# Altium PCB icaRUSv0.2.PcbDoc (part 1 of 2)
Units mm, origin at the board's own origin, x right, y up, seen from the top; angles counter-clockwise.
Board outline 84 x 83.99 mm, 2 copper layers (Top Layer, Bottom Layer); 111 components, 57 nets, 328 pads, 1315 vias.
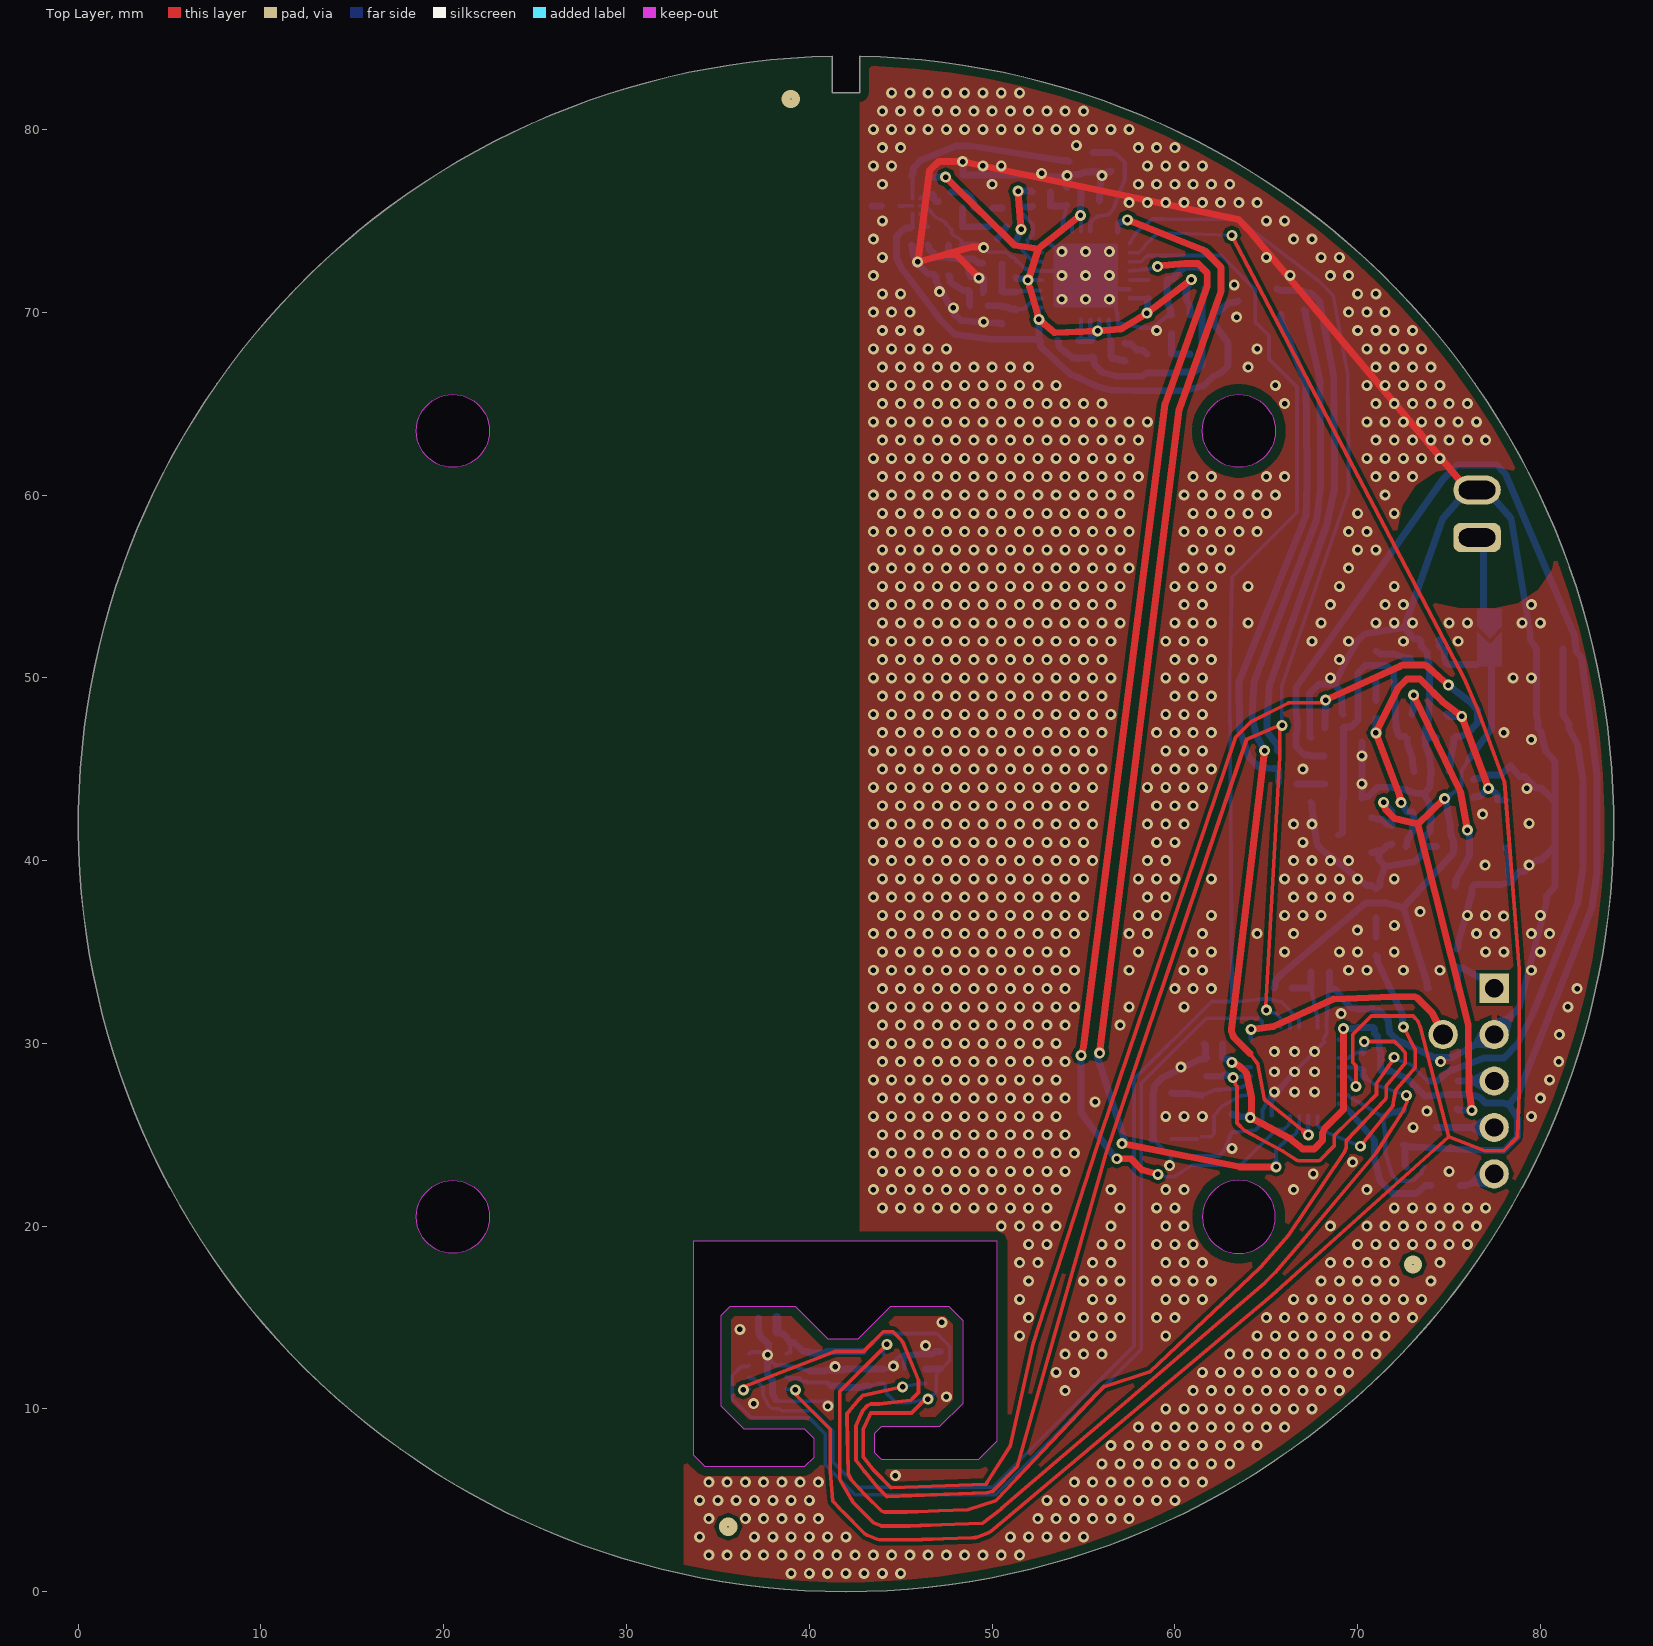
[diagram p0: Top Layer view]
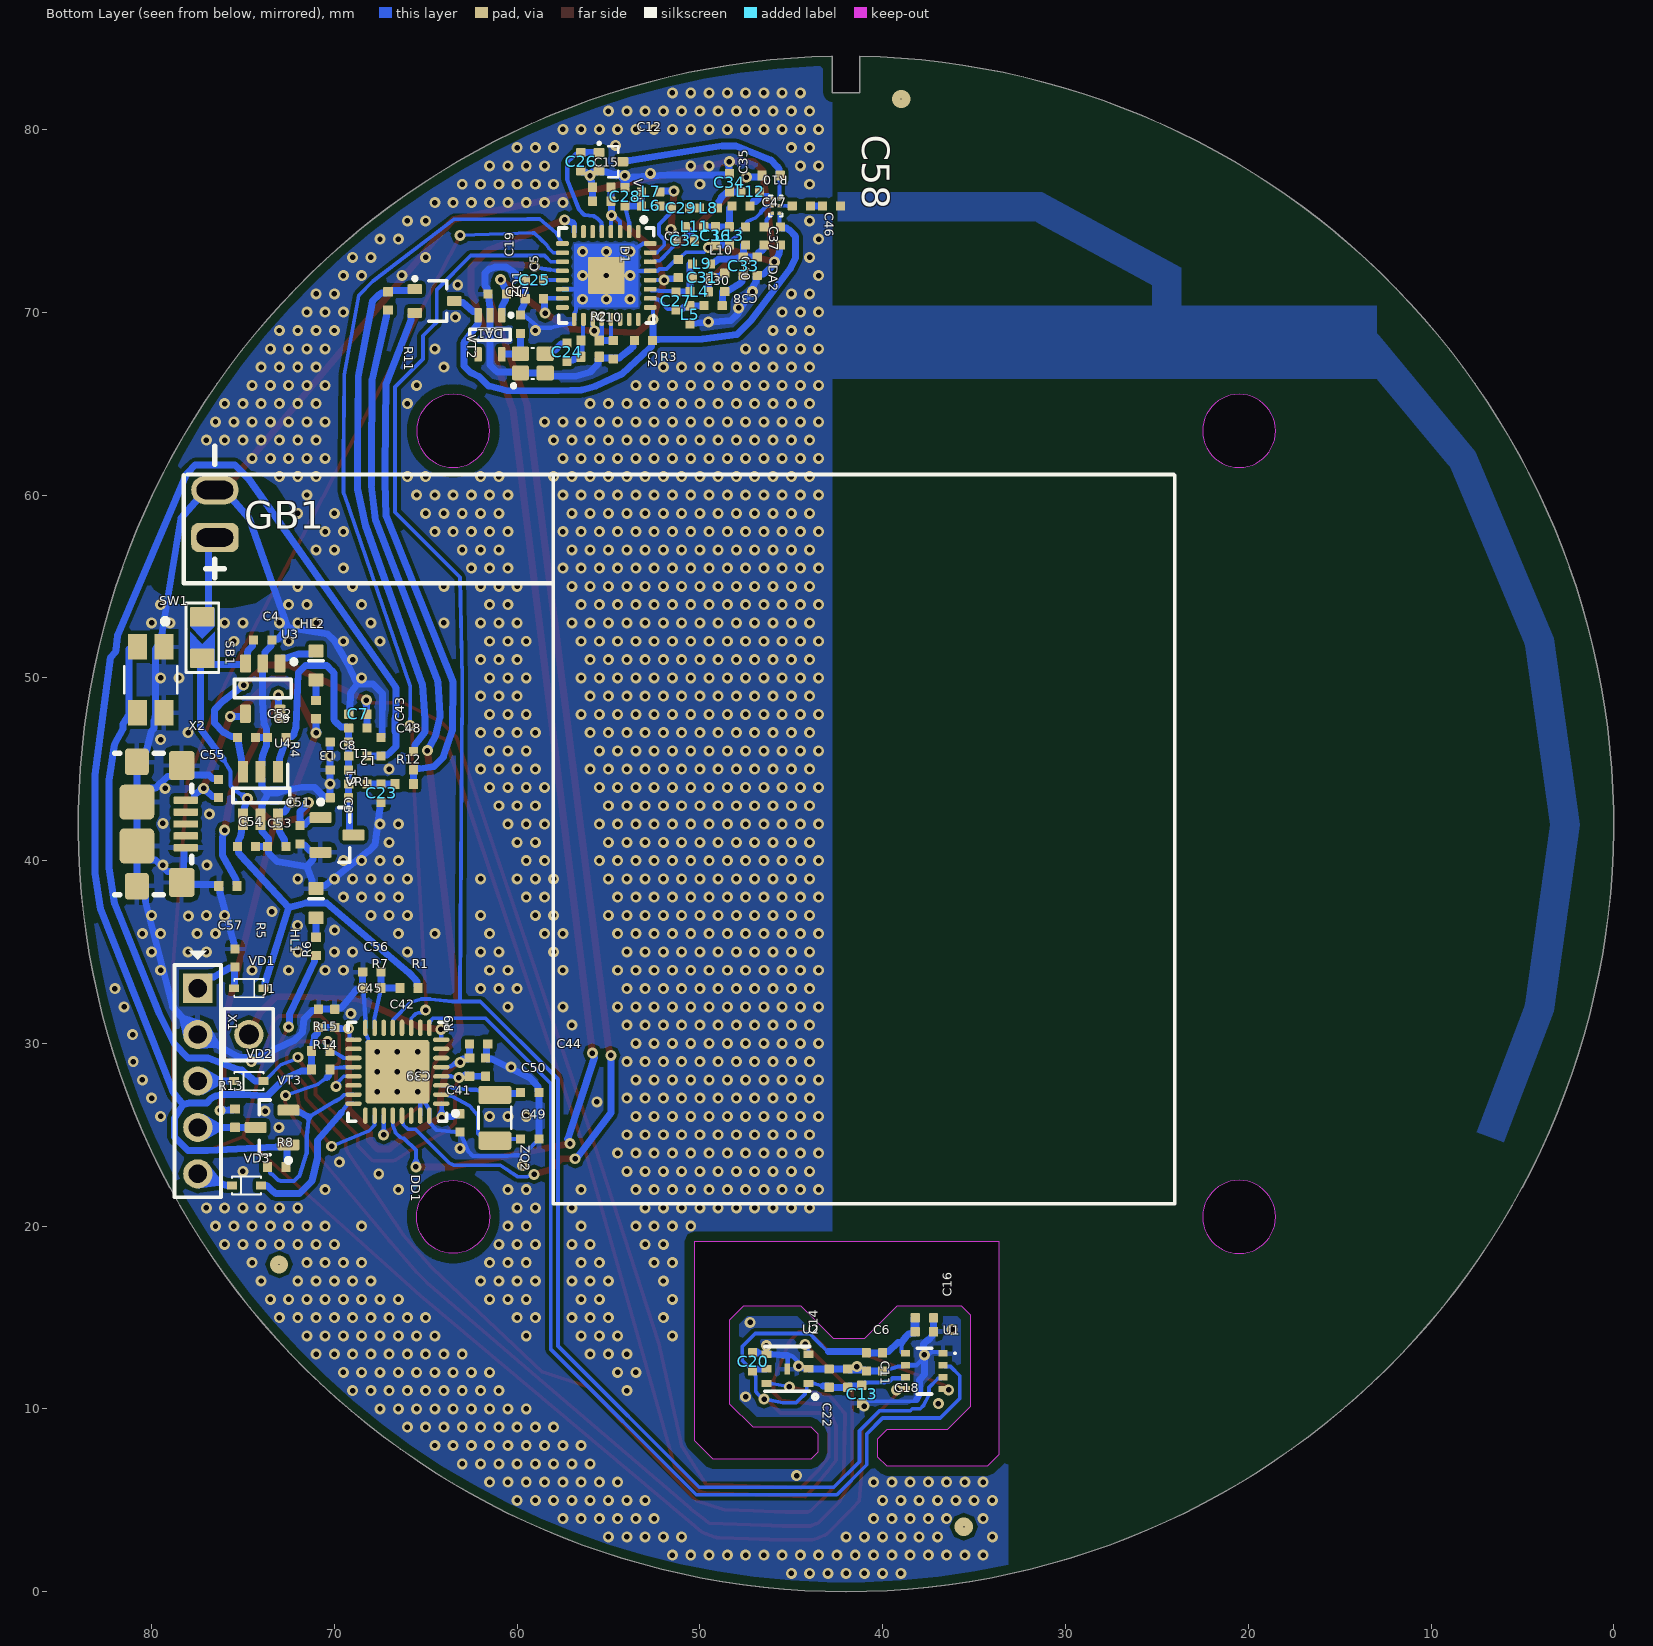
[diagram p1: Bottom Layer view, seen from below]

## Layer stack, top to bottom
Top Solder: solder mask 0.0102, Solder Resist, Dk 3.5
Top Layer: signal copper 0.0356
Dielectric 1: dielectric 0.32, FR-4, Dk 4.8
Bottom Layer: signal copper 0.0356
Bottom Solder: solder mask 0.0102, Solder Resist, Dk 3.5

## Board outline
41.256,84 ccw(c42.006,42.006) 42.756,84 42.756,82.006 41.256,82.006
cut-out: 61.5,20.506 ccw(c63.5,20.506) 63.5,18.506 ccw(c63.5,20.506) 65.5,20.506 ccw(c63.5,20.506) 63.5,22.506 ccw(c63.5,20.506)
cut-out: 63.5,61.506 cw(c63.5,63.506) 61.5,63.506 cw(c63.5,63.506) 63.5,65.506 cw(c63.5,63.506) 65.5,63.506 cw(c63.5,63.506)
cut-out: 20.5,61.506 cw(c20.5,63.506) 18.5,63.506 cw(c20.5,63.506) 20.5,65.506 cw(c20.5,63.506) 22.5,63.506 cw(c20.5,63.506)
cut-out: 20.5,18.506 cw(c20.5,20.506) 18.5,20.506 cw(c20.5,20.506) 20.5,22.506 cw(c20.5,20.506) 22.5,20.506 cw(c20.5,20.506)
cut-out: 33.655,7.493 34.29,6.858 39.751,6.858 40.259,7.366 40.259,8.382 39.751,8.89 36.449,8.89 35.179,10.16 35.179,15.113 35.687,15.621 39.243,15.621 41.021,13.843 42.672,13.843 44.45,15.621 47.625,15.621 48.387,14.859 48.387,10.287 47.117,9.017 43.942,9.017 43.561,8.636 43.561,7.62 43.942,7.239 49.276,7.239 50.292,8.255 50.292,19.177 33.655,19.177

## Design rules (kind name [scope] priority, off if disabled: settings)
BoardOutlineClearance [All] p1: gap=0.508 ignorepadtopadclearanceinfootprint=FALSE
Clearance Clearance_testpoint [IsVia And (TestpointAssyTop = 'True')] p1: gap=0.2 ignorepadtopadclearanceinfootprint=FALSE
Clearance Clearance_SolderBridge [InComponent('SB1')] p2: gap=0.2 ignorepadtopadclearanceinfootprint=TRUE
Clearance Clearance_Bat+ [InComponent('GB1')] p3: gap=0.125 ignorepadtopadclearanceinfootprint=TRUE except(3: Arc-Fill Arc-Poly Arc-Region Track-Fill Track-Poly Track-Region SMDPad-Fill SMDPad-Poly SMDPad-Region THPad-Fill THPad-Poly THPad-Region Via-Fill Via-Poly Via-Region Fill-Fill Fill-Poly Fill-Region Poly-Poly Poly-Region Region-Region)
Clearance [All] p4: gap=0.2 ignorepadtopadclearanceinfootprint=FALSE
PolygonConnect [All] p1: connectstyle=Relief reliefconductorwidth=0.254 reliefentries=4 polygonreliefangle="90 Angle" airgapwidth=0.254
RoomDefinition icaRUSv0.2 [InComponentClass('icaRUSv0.2')] p1: confinementstyle=ConfineIn formatcopy=TRUE lockcomponents=FALSE outline 0,0 83.947,0 83.947,83.947 0,83.947
RoutingVias [All] p1: holewidth=0.711 width=1.27 viastyle="Through Hole" minholewidth=0.3 minwidth=0.599 maxholewidth=0.711 maxwidth=1.27
SilkToSolderMaskClearance [IsPad] p1: minsilkscreentomaskgap=0.119 clearancetoexposedcopper=TRUE
SolderMaskExpansion [All] p1: expansion=0.102 istentingtop=FALSE
UnRoutedNet [All] p1: checkbadconnections=TRUE
Width [All] p1: maxlimit=0.508 minlimit=0.2 preferedwidth=0.381 minimp=50.000000 maximp=50.000000 favimp=50.000000
28 further rules are at their usual default settings.

## Components (designator, comment, footprint, x,y, rotation, side; value= is the part's Value field where it differs from the comment)
C1 "4.7u 6.3V" C0402 69.723,43.434 r0 bottom
C2 "1u 16V" C0402 53.086,68.453 r180 bottom
C3 "0.1u 16V" C0402 69.723,46.482 r180 bottom
C4 "1u 16V" C0402 73.914,52.07 r0 bottom
C5 "4.7u 6.3V" C0402 61.087,70.993 r0 bottom
C6 "1u 16V" C0402 40.005,12.573 r90 bottom
C7 "4.7u 6.3V" C0402 68.707,48.006 r0 bottom
C8 "1u 16V" C0402 69.723,44.958 r180 bottom
C9 "1u 16V" C0402 74.803,46.736 r0 bottom
C10 "1u 16V" C0402 54.737,67.945 r90 bottom
C11 "0.1u 25V" C0402 37.719,14.224 r180 bottom
C12 "0.1u 16V" C0402 55.372,76.073 r180 bottom
C13 "1u 16V" C0402 41.148,10.795 r90 bottom
C14 "4.7u 6.3V" C0402 42.926,11.684 r90 bottom
C15 "0.1u 16V" C0402 55.372,76.835 r180 bottom
C16 "0.1u 25V" C0402 37.719,14.986 r180 bottom
C17 "1u 16V" C0402 59.817,69.342 r270 bottom
C18 "1u 16V" C0402 40.894,12.573 r90 bottom
C19 "0.1u 16V" C0402 59.055,70.739 r180 bottom
C20 "1u 16V" C0402 47.117,12.573 r270 bottom
C21 "0.1u 16V" C0402 51.181,72.39 r270 bottom
C22 "0.1u 25V" C0402 41.91,11.684 r90 bottom
C23 "4.7u 6.3V" C0402 67.437,43.688 r90 bottom
C24 "1000p 50V" C0402 57.277,67.818 r270 bottom
C25 "0.1u 16V" C0402 59.055,71.755 r180 bottom
C26 "0.1u 16V" C0402 56.515,78.232 r90 bottom
C27 "1.2p 50V" C0402 51.308,70.612 r270 bottom
C28 "0.1u 16V" C0402 54.102,76.327 r270 bottom
C29 "100p 50V" C0402 51.054,75.692 r180 bottom
C30 "2.7p 50V" C0402 49.276,70.358 r180 bottom
C31 "2.7p 50V" C0402 49.911,71.882 r0 bottom
C32 "100p 50V" C0402 50.8,73.914 r180 bottom
C33 "2.7p 50V" C0402 47.625,72.517 r90 bottom
C34 "6.2p 50V" C0402 48.387,77.089 r270 bottom
C35 "2.7p 50V" C0402 47.498,74.168 r270 bottom
C36 "3.6p 50V" C0402 49.149,74.176 r270 bottom
C37 "2.7p 50V" C0402 47.752,75.819 r180 bottom
C38 "1.5p 50V" C0402 46.863,72.517 r270 bottom
C39 "0.1u 16V" C0402 61.722,28.702 r90 bottom
C40 "100p 50V" C0402 46.482,74.168 r90 bottom
C41 "4.7u 6.3V" C0402 63.119,25.646 r270 bottom
C42 "0.1u 16V" C0402 69.977,31.369 r90 bottom
C43 "0.1u 16V" C0402 67.437,46.228 r90 bottom
C44 "0.1u 16V" C0402 62.103,29.972 r180 bottom
C45 "0.1u 16V" C0402 70.866,31.369 r90 bottom
C46 "100p 50V" C0402 44.45,75.819 r180 bottom
C47 "0.1u 16V" C0402 45.593,74.168 r90 bottom
C48 "0.1u 16V" C0402 65.659,45.466 r270 bottom
C49 "20p 50V" C0402 59.309,24.765 r180 bottom
C50 "20p 50V" C0402 59.309,27.305 r180 bottom
C51 "4.7u 6.3V" C0402 71.882,41.41 r270 bottom
C52 "4.7u 6.3V" C0402 73.152,46.736 r0 bottom
C53 "4.7u 6.3V" C0402 73.152,40.767 r0 bottom
C54 "4.7u 6.3V" C0402 74.803,40.767 r180 bottom
C55 "4.7u 6.3V" C0402 76.327,43.942 r90 bottom
C56 "1u 16V" C0402 67.945,33.909 r180 bottom
C57 "1u 16V" C0402 75.438,34.671 r270 bottom
C58 "1.5p 50V" C0402 42.799,75.819 r180 bottom
D1 "SWS1470-A0 QFN32" QFN32 55.118,72.009 r270 bottom
DA1 "NCP502SQ18T2G" SOT323-5 61.483,68.766 r0 bottom
DA2 "BGS12WN6E6327XTSA1" 6-XFDFN 45.847,75.819 r180 bottom
DD1 "STM32L412K8Ux" UFQFPN32 66.548,28.448 r0 bottom
GB1 "3.7V 1000mAh" "LP753440 3.7V 1000mAh with PCM" 41.529,41.275 r90 bottom locked
HL1 "RED" LED0603_RED#1 71,37.667 r90 bottom
HL2 "RED" LED0603_RED#2 71,50.673 r90 bottom
J1 "61300111121" 61300111121 74.676,30.48 r270 bottom
L1 "120R 1.3A" L0402_BEAD 68.707,47.244 r180 bottom
L2 "120R 1.3A" L0402_BEAD 68.707,45.72 r180 bottom
L3 "120R 1.3A" L0402_BEAD 68.707,44.196 r180 bottom
L4 "82nH" L0402 50.038,71.12 r180 bottom
L5 "82nH" L0402 50.546,69.85 r90 bottom
L6 "82nH" L0402 52.697,75.819 r0 bottom
L7 "82nH" L0402 52.697,76.581 r180 bottom
L8 "12nH" L0402 49.53,75.692 r180 bottom
L9 "10nH" L0402 49.911,72.644 r180 bottom
L10 "10nH" L0402 48.641,71.628 r270 bottom
L11 "12nH" L0402 50.292,74.676 r180 bottom
L12 "12nH" L0402 47.244,76.581 r180 bottom
L13 "12nH" L0402 48.387,74.176 r90 bottom
R1 "2M 1%" R0402 65.913,33.02 r180 bottom
R2 "1M 1%" R0402 56.007,68.453 r180 bottom
R3 "1M 1%" R0402 56.007,67.564 r0 bottom
R4 "470R 1%" R0402 71,48.26 r90 bottom
R5 "10k 5%" R0402 75.819,38.608 r0 bottom
R6 "470R 1%" R0402 71,35.306 r270 bottom
R7 "1M 1%" R0402 67.945,33.02 r180 bottom
R8 "10k 1%" R0402 73.152,23.241 r180 bottom
R9 "10k 1%" R0402 62.611,28.702 r270 bottom
R10 "1k 1%" R0402 46.101,77.47 r0 bottom
R11 "1k 1%" R0402 67.056,70.62 r90 bottom
R12 "1R 1%" R0402 66.175,44.196 r180 bottom
R13 "10k 1%" R0402 75.438,25.908 r90 bottom
R14 "10k 1%" R0402 70.739,28.575 r180 bottom
R15 "10k 1%" R0402 70.739,29.591 r180 bottom
SB1 "Jumper Solder" SB0805 77.216,52.19 r270 bottom
SW1 "EVQ-P7J01P" SW_EVQ-P7J01P 80.047,49.889 r270 bottom
U1 "BME280" BOSC-BME280-8_V 37.719,12.065 r180 bottom
U2 "SGP30" SGP30 45.212,12.192 r0 bottom
U3 "MCP73831T-2ATI/OT" SOT23-5 73.914,49.403 r0 bottom
U4 "ESDA5V3SC6" SOT23-6L 74.041,43.561 r0 bottom
VD1 "RB520S30" SOD523F 74.676,33.02 r180 bottom
VD2 "RB520S30" SOD523F 74.676,27.94 r0 bottom
VD3 "RB520S30" SOD523F 74.803,22.225 r0 bottom
VR1 "H7605-18MR" SOT23-3L 69.85,41.402 r270 bottom
VT1 "PDTC143ZE" SOT416 54.864,78.232 r270 bottom
VT2 "PMF170XP" SOT323 64.516,70.612 r270 bottom
VT3 "FDV303N" SOT23-3L 73.406,25.4 r90 bottom
X1 "PLS-5" PLS-5-2.54-PCB 77.47,27.94 r270 bottom
X2 "1981568-1" 1981568-1 80.8,42 r270 bottom
ZQ1 "26MHz 2ppm" QSMD2.0x1.6x0.7 59.142,67.2 r180 bottom
ZQ2 "32.768 kHz" QSMD3.2X1.5X0.8 61.214,25.928 r90 bottom

## Footprints (in the part's own frame and the unit in brackets; to place one, negate y for a bottom-side part, rotate by r counter-clockwise, add the part's x,y. Pads: shape width x height; smd on the part's side, far side on the other; paste and mask are expansions set on the pad)
6-XFDFN [mm] "QFN, 10-Leads, Body 1,15x1,55mm, Pitch 0,4mm"
  rrect25% 0.2x0.2 smd: 1(-0.2,0.4) 2(-0.2,0) 3(-0.2,-0.4) 4(0.2,-0.4) 5(0.2,0) 6(0.2,0.4)
  silkscreen extent -0.52,-0.57 0.37,0.57, body extent -0.35,-0.55 0.35,0.55, height 0.38
1981568-1 [mm]
  rrect25% 0.4x1.35 smd: 1(-1.3,2.675) 2(-0.65,2.675) 3(0,2.675) 4(0.65,2.675) 5(1.3,2.675)
  rrect25% 1.45x1.3 smd: 6(-3.4,0) 9(3.4,0)
  rrect25% 1.6x1.4 smd: 7(-3.2,2.45) 8(3.2,2.45)
  rrect25% 1.9x1.9 smd: 10(1.2,0) 11(-1.2,0)
  silkscreen extent -3.88,-1.22 3.88,3, body extent -4,-2.8 4,2.8, height 2.79
61300111121 [mm] "Pin Header, pitch 2.54 mm, THT, Vertical, single row, 1p"
  round 1.6 hole 1.1: 1(0,0)
  silkscreen extent -1.42,-1.35 1.42,1.35, body extent -1.27,-1.27 1.27,1.27, height 8.57
BOSC-BME280-8_V [mm] "SMD, 8-Leads, Body 2.5x2.5mm, Pitch 0.65mm"
  rect 0.5x0.35 smd: 1(1.025,0.975) 2(1.025,0.325) 3(1.025,-0.325) 4(1.025,-0.975) 5(-1.025,-0.975) 6(-1.025,-0.325) 7(-1.025,0.325) 8(-1.025,0.975)
  silkscreen extent -0.39,-1.25 1.72,1.25, body extent -1.25,-1.25 1.25,1.25, height 1
C0402 [mm] "Chip Capacitor 0402"
  rrect10% 0.5x0.5 smd: 1(-0.5,0) 2(0.5,0)
  Top Layer pour cut-out: -0.15,0.35 0.15,0.35 0.15,-0.35 -0.15,-0.35
  body extent -0.5,-0.25 0.5,0.25, height 0.5
L0402 [mm] "Chip Inductor 0402"
  rrect10% 0.5x0.5 smd: 1(-0.5,0) 2(0.5,0)
  body extent -0.5,-0.25 0.5,0.25, height 0.5
L0402_BEAD [mm] "Chip Ferrite Bead 0402"
  rrect10% 0.5x0.5 smd: 1(-0.5,0) 2(0.5,0)
  body extent -0.5,-0.25 0.5,0.25, height 0.5
LED0603_RED#1 [mm]
  rrect10% 0.7x0.8 smd: 1(-0.8,0) 2(0.8,0)
  Top Layer pour cut-out: -0.35,0.55 0.35,0.55 0.35,-0.55 -0.35,-0.55
  silkscreen extent 0.25,-0.38 0.25,0.38, body extent -0.8,-0.4 0.8,0.4, height 0.39
LED0603_RED#2 [mm]
  rrect10% 0.7x0.8 smd mask+0.075: 1(-0.8,0) 2(0.8,0)
  Top Layer pour cut-out: -0.35,0.55 0.35,0.55 0.35,-0.55 -0.35,-0.55
  silkscreen extent 0.25,-0.38 0.25,0.38, body extent -0.8,-0.4 0.8,0.4, height 0.39
"LP753440 3.7V 1000mAh with PCM" [mm] "Rechargeable LiPoly Battery LP753440 3.7V 1000mAh with Protection Circuit & Wires 50mm"
  rrect50% 1.6x2.6 hole 1 slot 2 at 90 deg: 1(16.4,35)
  oval 1.6x2.6 hole 1 slot 2 at 90 deg: 2(19,35)
  silkscreen extent -20.05,-17.5 21.4,36.7, body extent -20.1,-17.5 19.9,36.5, height 7.5
PLS-5-2.54-PCB [mm] "Lead spase 2.54, 5-pin"
  rect 1.6x1.6 hole 1: 1(-5.08,0)
  round 1.6 hole 1: 2(-2.54,0) 3(0,0) 4(2.54,0) 5(5.08,0)
  silkscreen extent -7.12,-1.27 6.35,1.27, body extent -6.35,-1.27 6.35,1.27, height 8.54
QFN32 [mm] "QFN, 32-Leads, Body 5,00x5,00mm, Pitch 0,50mm, Thermal Pad 3,5x3,5mm"
  rrect50% 0.7x0.25 smd: 1(-2.4,1.75) 2(-2.4,1.25) 3(-2.4,0.75) 4(-2.4,0.25) 5(-2.4,-0.25) 6(-2.4,-0.75) 7(-2.4,-1.25) 8(-2.4,-1.75) 17(2.4,-1.75) 18(2.4,-1.25) 19(2.4,-0.75) 20(2.4,-0.25) 21(2.4,0.25) 22(2.4,0.75) 23(2.4,1.25) 24(2.4,1.75)
  rrect50% 0.25x0.7 smd: 9(-1.75,-2.4) 10(-1.25,-2.4) 11(-0.75,-2.4) 12(-0.25,-2.4) 13(0.25,-2.4) 14(0.75,-2.4) 15(1.25,-2.4) 16(1.75,-2.4) 25(1.75,2.4) 26(1.25,2.4) 27(0.75,2.4) 28(0.25,2.4) 29(-0.25,2.4) 30(-0.75,2.4) 31(-1.25,2.4) 32(-1.75,2.4)
  rrect5% 2x2 smd: 33(0,0)
  Top Layer region: -1.75,1.5 -1.5,1.75 1.7,1.75 1.75,1.7 1.75,-1.7 1.7,-1.75 -1.7,-1.75 -1.75,-1.7
  silkscreen extent -3.17,-2.6 2.6,2.6, body extent -2.5,-2.5 2.5,2.5, height 0.94
QSMD2.0x1.6x0.7 [mm]
  rrect25% 0.95x0.8 smd: 1(-0.675,-0.525) 2(0.675,-0.525) 3(0.675,0.525) 4(-0.675,0.525)
  silkscreen extent -1.15,-1.32 0.08,0.85, body extent -1.05,-0.85 1.05,0.85, height 0.56
QSMD3.2X1.5X0.8 [mm]
  rrect25% 1x1.8 smd: 1(-1.25,0) 3(1.25,0)
  silkscreen extent -0.6,-0.9 0.6,0.9, body extent -1.6,-0.75 1.6,0.75, height 0.71
R0402 [mm] "Chip Resistor 0402"
  rrect10% 0.5x0.55 smd: 1(-0.5,0) 2(0.5,0)
  Top Layer pour cut-out: -0.15,0.375 0.15,0.375 0.15,-0.375 -0.15,-0.375
  body extent -0.57,-0.27 0.58,0.28, height 0.41
SB0805 [mm] "Solder Jumper 0805"
  rrect10% 1.05x1.35 smd: 1(-1.15,0) 2(1.125,0)
  Top Layer region: 1.55,0.675 -0.325,0.675 0.35,0 -0.325,-0.675 1.55,-0.675
  Top Layer region: -1.6,0.675 -0.625,0.675 0.05,0 -0.625,-0.675 -1.6,-0.675
  silkscreen extent -1.9,-0.9 1.9,0.9
SGP30 [mm]
  rect 0.55x0.4 smd paste-1: 1(-1.15,0.8) 2(-1.15,0) 3(-1.15,-0.8) 4(1.15,-0.8) 5(1.15,0) 6(1.15,0.8)
  rect 0.305x0.61 smd paste-1 mask+0: DIEPAD(0,0)
  silkscreen extent -1.65,-1.22 1.22,1.65, body extent -1.22,-1.22 1.22,1.22, height 0.88
SOD523F [mm] "SODFL, 2-Leads, Body 0,80x1,60mm, IPC Medium Density"
  rrect10% 0.55x0.42 smd: 1(-0.8,0) 2(0.8,0)
  silkscreen extent -0.8,-0.5 0.8,0.5, body extent -0.8,-0.45 0.8,0.45, height 0.7
SOT23-3L [mm] "SOT23, 3-Leads, Body 2.9x1.3mm, Pitch 0.95mm, Lead Span 2.5mm, IPC High Density"
  rrect25% 0.6x1.2 smd: 1(-0.95,-0.9) 2(0.95,-0.9) 3(0,0.9)
  silkscreen extent -1.92,-1.03 1.5,0.7, body extent -1.45,-1.4 1.45,1.4, height 1.3
SOT23-5 [mm] "SOT23, 5-Leads, Body 2,90x2,80mm, Pitch 0,95mm, IPC Medium Density"
  rrect25% 0.6x1 smd: 1(-0.95,-1.375) 2(0,-1.375) 3(0.95,-1.375) 4(0.95,1.375) 5(-0.95,1.375)
  silkscreen extent -1.82,-1.6 1.55,0.5, body extent -1.53,-1.5 1.53,1.5, height 1.45
SOT23-6L [mm]
  rect 0.55x1.2 smd: 1(-0.95,-1.3) 2(0,-1.3) 3(0.95,-1.3) 4(0.95,1.3) 5(0,1.3) 6(-0.95,1.3)
  silkscreen extent -1.6,-1.7 1.5,0.4, body extent -1.46,-1.4 1.46,1.4, height 1.4
SOT323 [mm] "SOT323, 3-Leads, Body 2,00x2,10mm, Pitch 0,65mm, IPC Medium Density"
  rrect25% 0.55x0.8 smd: 1(-0.65,-1.075) 2(0.65,-1.075) 3(0,1.075)
  silkscreen extent -1.32,-1.17 1.1,0.67, body extent -1.1,-1.15 1.1,1.15, height 1.1
SOT323-5 [mm] "SOT323, 5-Leads, Body 2,00x2,10mm, Pitch 0,65mm, IPC Medium Density"
  rrect25% 0.4x0.8 smd: 1(-0.65,-1.075) 2(0,-1.075) 3(0.65,-1.075) 4(0.65,1.075) 5(-0.65,1.075)
  silkscreen extent -1.25,-1.17 1.1,0.3, body extent -1.1,-1.1 1.1,1.1, height 1.1
SOT416 [mm] "SOT416, 3-Leads, Body 1,60x0,80mm, Pitch 0,50mm"
  rrect25% 0.5x0.6 smd: 1(-0.5,-0.65) 2(0.5,-0.65) 3(0,0.65)
  silkscreen extent -1.07,-0.73 0.85,0.4, body extent -0.8,-0.8 0.8,0.8, height 0.78
SW_EVQ-P7J01P [mm]
  rect 1.4x1.05 smd: 1_1(-1.8,0.725) 1_2(1.8,0.725) 2_1(-1.8,-0.725) 2_2(1.8,-0.725)
  silkscreen extent -3.34,-1.45 0.73,1.45, body extent -2.35,-2.1 2.35,1.45, height 1.35
UFQFPN32 [mm] "QFN, 32-Leads, Body 5,00x5,00mm, Pitch 0,50mm, Thermal Pad 3,50x3,50mm, IPC Medium Density"
  oval 0.9x0.25 smd: 1(-2.4,1.75) 2(-2.4,1.25) 3(-2.4,0.75) 4(-2.4,0.25) 5(-2.4,-0.25) 6(-2.4,-0.75) 7(-2.4,-1.25) 8(-2.4,-1.75) 17(2.4,-1.75) 18(2.4,-1.25) 19(2.4,-0.75) 20(2.4,-0.25) 21(2.4,0.25) 22(2.4,0.75) 23(2.4,1.25) 24(2.4,1.75)
  oval 0.25x0.9 smd: 9(-1.75,-2.4) 10(-1.25,-2.4) 11(-0.75,-2.4) 12(-0.25,-2.4) 13(0.25,-2.4) 14(0.75,-2.4) 15(1.25,-2.4) 16(1.75,-2.4) 25(1.75,2.4) 26(1.25,2.4) 27(0.75,2.4) 28(0.25,2.4) 29(-0.25,2.4) 30(-0.75,2.4) 31(-1.25,2.4) 32(-1.75,2.4)
  rrect10% 3.5x3.5 smd: 33(0,0)
  silkscreen extent -3.3,-2.7 2.7,2.7, body extent -2.6,-2.6 2.6,2.6, height 0.6

## Part data
C1 C5 C7 C14 C23 C41 C51 C52 C53 C54 C55: library part CC0402KRX5R5BB475, "CAP CER 4.7UF 6.3V X5R 0402", PartNumber=CC0402KRX5R5BB475
C2 C17: library part CC0402KRX5R7BB105, "CAP CER 1UF 16V X5R 0402", PartNumber=CC0402KRX5R7BB105
C3: library part CC0603KRX7R7BB104, "CERCAP 0.1/16V 0402 KX7R", PartNumber=CC0402KRX7R7BB104
C4 C8: library part CC0603KRX7R7BB105, "CAP CER 1UF 16V X5R 0402", PartNumber=CC0402KRX5R7BB105
C6 C9 C10 C13 C18 C20 C56 C57: library part CC0402KRX7R8BB104, "CAP CER 1UF 16V X5R 0402", PartNumber=CC0402KRX5R7BB105
C11 C16 C22: library part CC0402KRX7R8BB104, "CAP CER 0.1UF 25V X7R 0402", PartNumber=CC0402KRX7R8BB104
C12 C15 C19 C21 C25 C26 C28 C39 C42 C43 C44 C45 C47 C48: library part CC0402KRX7R8BB104, "CERCAP 0.1/16V 0402 KX7R", PartNumber=CC0402KRX7R7BB104
C24: library part CC0402JRX7R9BB102, "CAP CER 1000PF 1% 50V C0G/NPO 0402", PartNumber=0402N102F500LT
C27: library part CC0402BRNPO9BN1R0, "CAP CER 1.2PF 50V NPO 0402", PartNumber=CC0402BRNPO9BN1R2
C29 C32 C40 C46: library part CC0402JRNPO9BN101, "CAP CER 100PF 50V C0G/NPO 0402", PartNumber=CC0402JRNPO9BN101
C30 C31 C33 C35: library part CC0402BRNPO9BN2R0, "CAP CER 2.7PF 50V C0G/NPO 0402", PartNumber=CC0402BRNPO9BN2R7
C34: library part CC0402CRNPO9BN6R2, "CAP CER 6.2PF 50V NPO 0402", PartNumber=CC0402CRNPO9BN6R2
C36: library part CC0402BRNPO9BN3R6, "CAP CER 3.6PF 50V NPO 0402", PartNumber=CC0402BRNPO9BN3R6
C37: library part CC0402BRNPO9BN3R6, "CAP CER 2.7pF 50V NPO 0402", PartNumber=CC0402BRNPO9BN2R7
C38 C58: library part CC0402BRNPO9BN1R0, "CAP CER 1.5PF 50V NPO 0402", PartNumber=CC0402BRNPO9BN1R5
C49 C50: library part CC0402JRNPO9BN200, "CAP CER 20PF 50V C0G/NPO 0402", PartNumber=CC0402JRNPO9BN200
D1: "Waviot NB-Fi RF Transceiver QFN32", PartNumber="SWS1470-A0 QFN32"
DA1: "IC REG LINEAR 1.8V 80MA SC88A", PartNumber=NCP502SQ18T2G
DA2: "RF Switch IC WLAN SPDT 50Ohm PG-TSNP-6-10", PartNumber=BGS12WN6E6327XTSA1
DD1: "ARM® Cortex®-M4 CPU with FPU, STM32L4 Microcontroller IC 32-Bit 80MHz 64KB (64K x 8) FLASH 32-UFQFPN (5x5)", PartNumber=STM32L412KBUx
GB1: library part CR17505, "LiPoly Battery LP753440 3.7V 1000mAh with PCM", PartNumber=LP753440
HL1 HL2: library part FYLS-0603URC, "LED Red 0603", PartNumber=FYLS-0603URC
J1: library part CMP-1502-01058-1, "THT Vertical Pin Header WR-PHD, Pitch 2.54 mm, Single Row, 1 pins", Contact Resistance=20mOhm, Manufacturer="Wurth Elektronik", Operating Temperature=-40to105degC, Rated Current=3A, Withstanding Voltage=500VAC, Working Voltage=250VAC, Datasheet URL=https://katalog.we-online.de/em/datasheet/6130xx11121.pdf, Gender=Male, Manufacturer URL=http://www.we-online.de, Mounting Technology=THT, Orientation=Vertical, Package Reference=61300111121, Packaging=Bag, Part Number=61300111121, Pin Number=1, Pitch=2.54mm, Publisher=WurthElektronik, Row Number=Single
L1 L2 L3: library part BLM15PD121SZ1D, "FERRITE BEAD 120 OHM 0402 1LN", PartNumber=BLM15PD121SZ1D
L4 L5 L6 L7: library part LQW15AN82NG00D, "FIXED IND 82NH 130MA 2.24 OHM", PartNumber=LQW15AN82NG00D
L8 L11 L12 L13: library part LQW15AN12NG00D, "FIXED IND 12NH 500MA 140 MOHM", PartNumber=LQW15AN12NG00D
L9 L10: library part LQW15AN10NG00D, "FIXED IND 10NH 500MA 170 MOHM", PartNumber=LQW15AN10NG00D
R1: library part RC0402FR-071ML, "RES SMD 2M OHM 1% 1/16W 0402", PartNumber=RC0402FR-072ML
R2 R3 R7: library part RC0402FR-071ML, "RES SMD 1M OHM 1% 1/16W 0402", PartNumber=RC0402FR-071ML
R4 R6: library part RC0603FR-07200RL, "RES 0603 470R 1%", PartNumber=RC0603FR-07470RL
R5: library part RC0402FR-071ML, "RES SMD 10k OHM 5% 1/16W 0402", PartNumber=RC0402JR-0710KL
R8 R9 R13 R14 R15: library part RC0402FR-0710KL, "RES SMD 10K OHM 1% 1/16W 0402", PartNumber=RC0402FR-0710KL
R10 R11: library part RC0402FR-071KL, "RES SMD 1K OHM 1% 1/16W 0402", PartNumber=RC0402FR-071KL
R12: library part RC0402FR-071RL, "RES SMD 1 OHM 1% 1/16W 0402", PartNumber=RC0402FR-071RL
SW1: "Tactile Switch SPST-NO Side Actuated Surface Mount, Right Angle", Package=None, Availability=Unavailable, MF="Panasonic Electronic", MP=EVQ-P7J01P, Price=None, SnapEDA_Link=https://www.snapeda.com/parts/EVQ-P7J01P/Panasonic%20Electronic%20Components/view-part/523087/?ref=snap
U1: library part CMP-2000-05073-1, "Combined Humidity and Pressure Sensor, 1.71 to 3.6 V, -40 to 85 degC, 8-Pin SMD, RoHS, Tape and Reel", Manufacturer="Bosch Sensortec", Datasheet URL=http://datasheet.octopart.com/BME280-Bosch-datasheet-58577763.pdf, Datasheet Version="Rev. 1.2, 10/2015", Manufacturer URL=http://www.bosch-sensortec.com
U2: "The SGP30 is a digital multi-pixel gas sensor designed for easy integration into air purifier, demand-controlled ventilation, and IoT applications.", Package=None, Availability=Unavailable, MF="{'manufacturer': u'Sensirion AG'}", MP=SGP30, Price=None
U3: "Charger IC Lithium Ion/Polymer SOT-23-5", Package="SOT-23 Microchip", Arrow_Americas-Purchase-URL=https://snapeda.com/shop?store=Arrow+Americas&id=51423, Availability=Unavailable, DigiKey-Purchase-URL=https://snapeda.com/shop?store=DigiKey&id=51423, MF=Microchip, Mouser-Purchase-URL=https://snapeda.com/shop?store=Mouser&id=51423, MP=MCP73831T-2ATI/OT, Price=None, SnapEDA_Link=https://www.snapeda.com/parts/MCP73831T-2ATI/OT/Microchip/view-part/51423/?ref=snap
U4: "Clamp Ipp Tvs Diode Surface Mount SOT-23-6", Package="SOT-23-6 STMicroelectronics", Availability=Unavailable, MF=STMicroelectronics, MP=ESDA5V3SC6, Price=None, SnapEDA_Link=https://www.snapeda.com/parts/ESDA5V3SC6/STMicroelectronics/view-part/385392/?ref=snap
VD1 VD2 VD3: "RECTIFIER DIODE, SCHOTTKY, 0.2A", PartNumber=RB520S30
VR1: library part "Volt Reg", "Voltage Regulator H7605-18MR", PartNumber=H7605-18MR
VT1: "SMALL SIGNAL BIPOLAR TRANSISTOR", PartNumber=PDTC143ZE
VT2: "MOSFET P-CH 20V 1A SOT323", PartNumber=PMF170XP
VT3: "MOSFET N-CH 25V 680MA SOT-23", PartNumber=FDV303N
X1: "PLS-5-2.54", PartNumber=PLS-5
X2: "CONN RCPT USB2.0 MICRO B SMD R/A", PartNumber=1981568-1
ZQ1: library part NT2016SA-26.000000MHZ-NBG2, "TCXO Oscillator 4-pin", PartNumber=NT2016SA-26.000000MHZ-NBG2
ZQ2: library part NX3215SA-32.768K-EXS00A, "CRYSTAL 32.768KHZ 12.5PF SMD", PartNumber=NX3215SA-32.768K-EXS00A

## Via types
v1: diameter 0.6, hole 0.3, Top Layer to Bottom Layer, tented both sides, 1312 vias
v2: diameter 1, hole 0, Top Layer to Bottom Layer, 3 vias

## Nets (pads, with @x,y where several pads share a name; then routed paths per layer and width w, separated by ;. In a path a pad name is that pad's centre, name@x,y a point inside that pad or via, vN(x,y) a via of type N, cw(c..) or ccw(c..) an arc to the next point about the centre after c; other vN are vias at no path point)
+5V: C53.1 C55.1 R4.1 U3.4 U4.6 X2.1 | length 27.3
  Top Layer w0.381: v1@70.915,46.912 71.086,46.743 v1@71.103,46.982 ; v1@70.923,47.075 71.109,47.227 v1@71.103,46.987 ; v1@72.271,43.194 72.317,43.429 v1@72.466,43.241 ; v1(72.379,43.173) 72.289,43.542 v1(70.993,46.99) 72.185,49.418 72.696,49.929 73.418,49.929 73.929,49.418 74.093,49.236 74.604,48.725 v1(75.693,47.889) v1(77.155,43.954) ; v1@75.595,47.837 75.483,48.05 v1@75.717,47.996 ; v1@75.615,47.811 75.785,47.641 v1@75.802,47.881 ; v1@77.046,43.962 77.064,44.201 v1@77.233,44.032
  Bottom Layer w0.381: v1@70.893,47.036 70.993,47.254 v1@71.093,47.036 ; v1(70.993,46.99) 70.993,47.51 70.993,47.7 R4.1@71,47.76 R4.1@71.085,47.763 ; v1(72.379,43.173) 72.445,43.105 72.626,42.782 72.737,42.67 72.816,42.67 73.007,42.67 U4.6@73.091,42.261 73.007,41.852 73.007,41.661 73.007,41.582 72.712,41.096 72.712,41.017 72.712,40.826 C53.1@72.652,40.767 ; U3.4@74.864,48.028 74.974,47.889 75.164,47.889 v1(75.693,47.889) ; v1@75.647,47.789 75.429,47.889 v1@75.647,47.989 ; C55.1@76.327,43.442 76.387,43.502 76.577,43.502 76.656,43.502 v1(77.155,43.954) 77.529,43.69 77.641,43.579 77.641,43.5 77.641,43.309 X2.1@78.125,43.3 ; v1@77.054,43.997 76.96,43.777 v1@77.189,43.849 ; v1@77.135,43.846 77.371,43.802 v1@77.251,44.009
CHIP_IRQ: D1.8 DD1.28 | length 69.8
  Top Layer w0.381: v1@55.787,29.522 55.912,29.725 v1@55.984,29.497 ; v1(55.88,29.464) 60.227,64.677 62.532,71.182 62.532,72.383 62.477,72.516 61.632,73.361 61.499,73.417 v1(57.404,75.057) ; v1@57.107,24.529 63.547,23.248 63.621,23.241 v1(65.532,23.241) ; v1@57.409,74.948 57.648,74.959 v1@57.483,75.132
  Bottom Layer w0.203: 65.532,24.166 66.182,24.792 66.411,24.871 66.647,25.107 66.743,25.377 66.798,25.516 DD1.28@66.798,26.048
  Bottom Layer w0.229: v1@65.363,23.318 65.532,23.687 ; v1(65.532,23.241) 65.532,23.687 ; 65.532,24.166 65.532,23.687 ; v1@65.701,23.318 65.532,23.687
  Bottom Layer w0.3: D1.8@56.868,74.409 56.868,74.811
  Bottom Layer w0.381: v1(55.88,29.464) 55.834,29.372 55.762,29.231 57.232,24.766 57.161,24.625 57.151,24.605 v1(57.105,24.516) ; 56.941,74.884 v1(57.404,75.057) ; v1@57.326,75.134 57.158,74.965 v1@57.396,74.948
CHIP_NPWR: DD1.27 R11.1 | length 49.9
  Top Layer w0.203: 64.117,29.444 64.506,28.914 64.534,28.877 64.897,26.972 64.897,26.927 64.96,26.864 67.101,25.158 v1(67.308,24.993)
  Top Layer w0.381: 64.117,29.444 63.21,30.351 63.09,30.689 63.09,30.777 64.872,45.76 v1(64.904,46.022) ; v1@67.209,24.943 67.101,25.158 v1@67.334,25.1
  Bottom Layer w0.229: v1@67.154,25.098 67.298,25.309 ; DD1.27@67.298,26.048 67.298,25.723 67.298,25.309 ; v1(67.308,24.993) 67.298,25.309 ; v1@67.455,25.107 67.298,25.309
  Bottom Layer w0.381: v1(64.904,46.022) 64.458,46.814 64.23,47.839 64.23,48.007 64.326,49.737 64.383,49.965 67.742,58.604 67.977,60.524 67.977,61.654 67.929,66.328 67.141,69.791 67.141,69.87 67.141,70.06 R11.1@67.056,70.12
CHIPVCC: C2.2 C5.1 C10.2 C12.2 C15.2 C19.2 C21.2 C47.2 D1.3 D1.4 D1.15 D1.19 D1.20 D1.21 D1.25 D1.28 DA1.1 DA1.3 DA2.4 R2.2 R10.2 VT2.3 | length 67.2
  Top Layer w0.381: v1(47.456,77.385) 47.644,77.199 51.222,73.663 52.535,73.474 ; v1@52.045,71.971 52.535,73.474 ; 52.057,71.386 52.49,69.859 v1(52.562,69.605) 52.704,69.484 53.419,68.876 v1@55.753,68.973 ; v1(54.836,75.295) 54.629,75.131 52.535,73.474 ; 56.109,68.997 57.018,69.08 57.149,69.134 58.271,69.828 v1(58.469,69.95) 58.68,70.109 60.687,71.623 v1(60.898,71.783)
  Bottom Layer w0.2: 45.647,74.918 DA2.4@45.647,75.419
  Bottom Layer w0.229: C47.2@45.593,74.668 45.647,74.804 45.647,74.918 ; v1@52.07,71.758 D1.28@52.717,71.758 ; v1(52.562,69.605) 52.562,70.248 D1.25@52.718,70.259 ; D1.3@54.368,74.409 54.368,74.914 54.373,74.964 v1@54.663,75.254 ; C10.2@54.737,68.453 54.74,68.453 54.868,68.581 D1.21@54.868,69.609 ; v1(54.836,75.295) 54.868,74.914 D1.4@54.868,74.409 ; D1.20@55.368,69.609 55.368,68.617 R2.2@55.499,68.486
  Bottom Layer w0.25: v1@55.753,68.961 55.753,69.048 55.868,69.163 D1.19@55.868,69.609 ; D1.15@57.518,70.759 58.43,70.759 C19.2@58.555,70.739
  Bottom Layer w0.381: C47.2@45.593,74.668 45.534,74.608 45.264,74.608 45.106,74.49 44.772,74.155 44.772,72.974 45.055,72.39 47.202,69.545 47.963,68.784 47.985,68.775 49.852,68.528 52.257,68.513 52.526,68.513 C2.2@52.586,68.453 ; R10.2@46.601,77.47 46.661,77.385 46.851,77.385 v1(47.456,77.385) ; C21.2@51.308,71.89 51.312,71.886 51.367,71.83 v1@51.995,71.83 ; v1@52.562,69.341 52.562,68.513 C2.2@52.586,68.453 ; C10.2@54.737,68.445 54.797,68.449 R2.2@55.447,68.449 ; v1(54.836,75.295) 54.836,76.014 C12.2@54.872,76.073 C15.2@54.872,76.835 ; R2.2@55.499,68.58 55.499,68.64 55.774,68.914 v1(55.774,68.974) ; v1(58.469,69.95) 58.495,70.41 58.495,70.68 C19.2@58.555,70.739 ; DA1.1@60.833,69.841 60.833,70.241 60.824,70.32 60.647,70.664 60.647,70.933 C5.1@60.587,70.993 60.647,71.052 60.647,71.322 v1(60.898,71.783) ; VT2.3@63.441,70.612 63.231,70.527 62.962,70.527 62.412,70.05 62.142,70.05 DA1.3@62.133,69.841 62.133,69.441 62.142,69.362 62.904,68.328 62.904,67.054 62.57,66.72 62.09,66.482 61.588,65.98 61.571,65.973 60.529,65.704 57.755,65.704 56.486,65.734 55.716,65.955 55.694,65.965 54.25,66.623 52.757,68.013 52.646,68.124 52.646,68.394 C2.2@52.586,68.453
  other v1: 51.963,71.758